# Altium PCB OctopusPB_r0101.PcbDoc (part 1 of 11)
Units mm, origin at the board's own origin, x right, y up, seen from the top; angles counter-clockwise.
Board outline 318 x 80 mm, 4 copper layers (Top Layer, Layer 1, Layer 2, Bottom Layer), stack 1.567 mm thick; 1067 components, 459 nets, 3580 pads, 4392 vias.
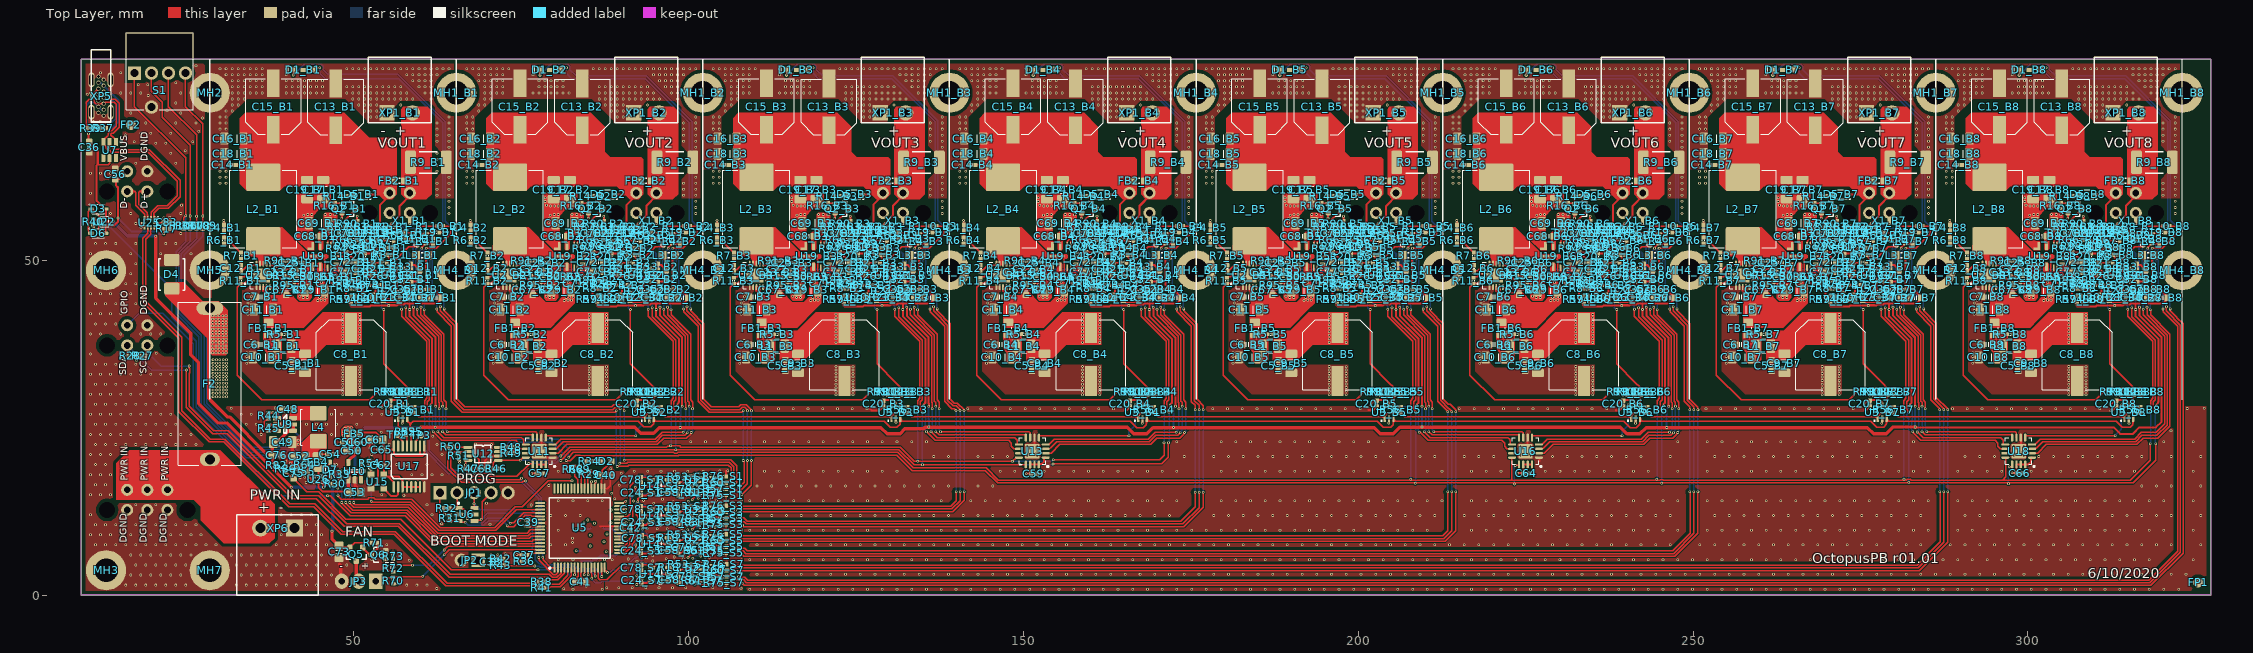
[diagram p0: Top Layer view]
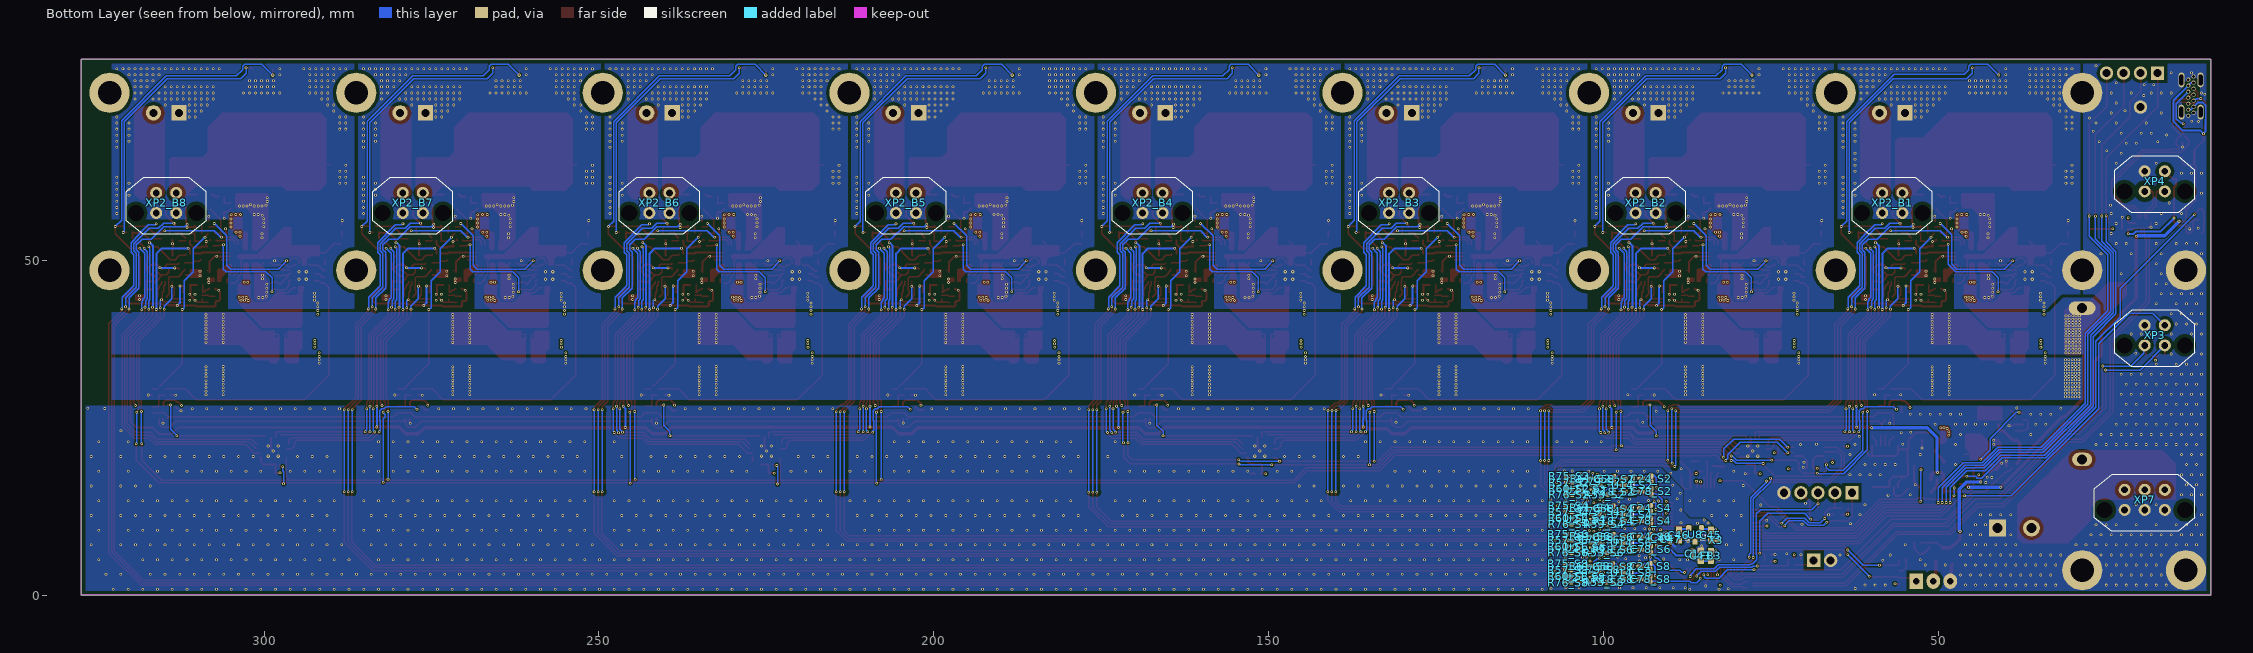
[diagram p1: Bottom Layer view, seen from below]
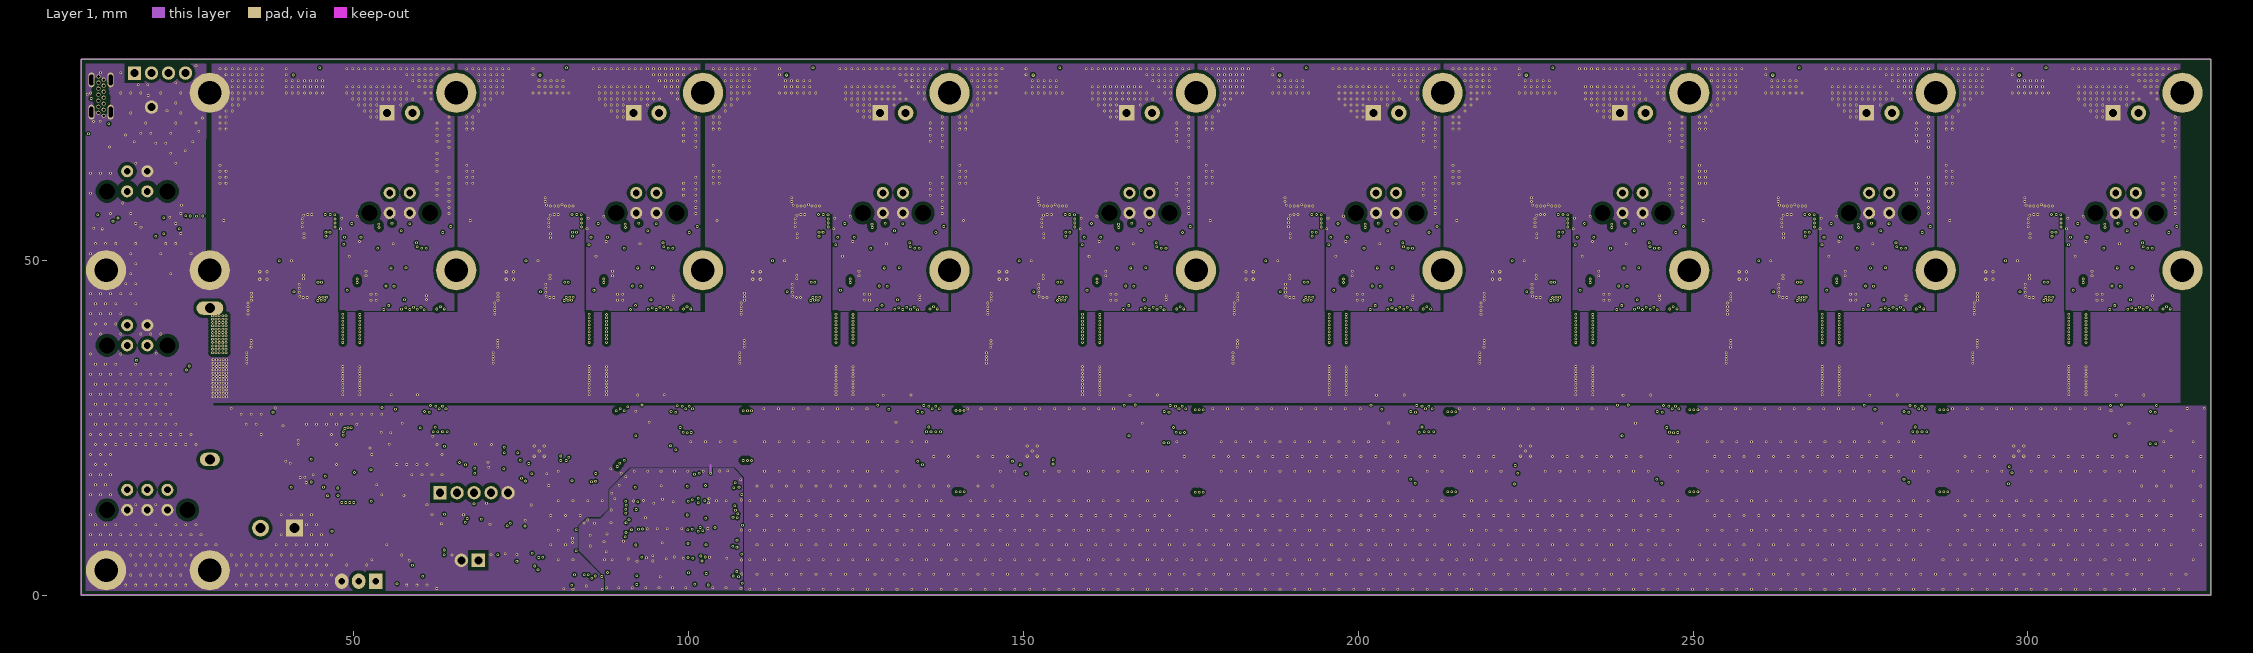
[diagram p2: Layer 1]
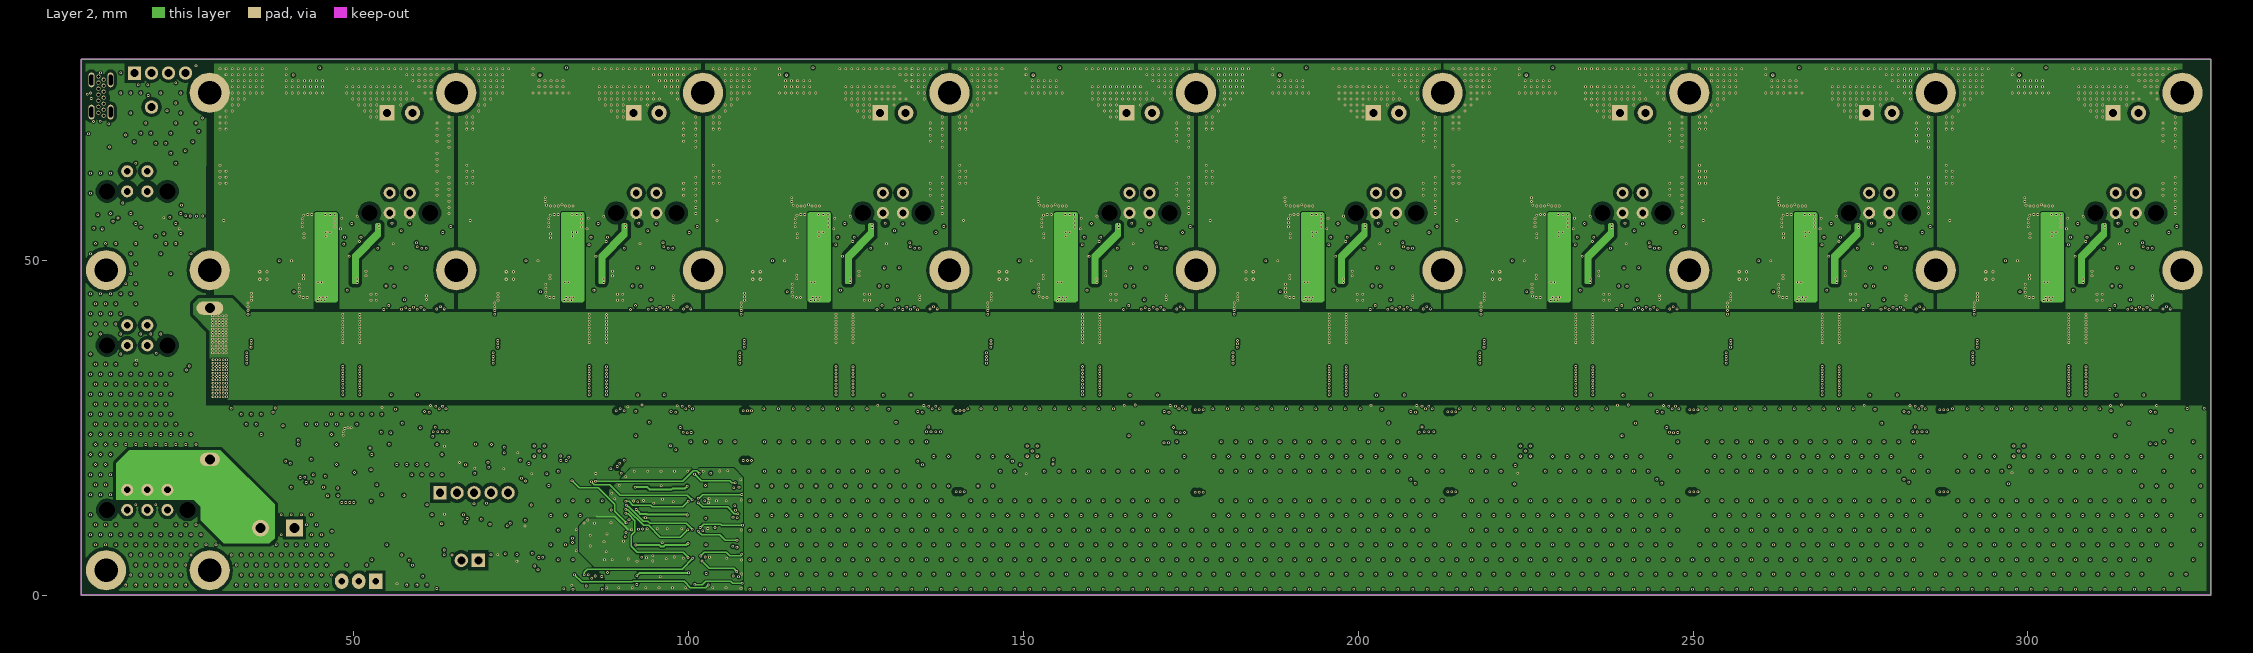
[diagram p3: Layer 2]

## Layer stack, top to bottom
Top Solder: solder mask 0.0102, Solder Resist, Dk 3.5
Top Layer: signal copper 0.0508
Dielectric 4: prepreg 0.0925, PCL-370HR, Dk 4.2
Layer 1: signal copper 0.0305
Dielectric 2: core 0.2032, PCL-370HR, Dk 4.2
Dielectric 6: prepreg 0.1016, PCL-370HR - 2113, Dk 4.2
Dielectric 8: prepreg 0.1016, PCL-370HR - 2113, Dk 4.2
Dielectric 10: prepreg 0.1016, PCL-370HR - 2113, Dk 4.2
Dielectric 1: dielectric 0.2032, FR-4, Dk 4.2
Dielectric 11: prepreg 0.1016, PCL-370HR - 2113, Dk 4.2
Dielectric 9: prepreg 0.1016, PCL-370HR - 2113, Dk 4.2
Dielectric 7: prepreg 0.1016, PCL-370HR - 2113, Dk 4.2
Dielectric 3: core 0.2032, PCL-370HR, Dk 4.2
Layer 2: signal copper 0.0305
Dielectric 5: prepreg 0.0925, PCL-370HR, Dk 4.2
Bottom Layer: signal copper 0.0508
Bottom Solder: solder mask 0.0102, Solder Resist, Dk 3.5

## Board outline
9.3,0 327.3,0 327.3,80 9.3,80

## Design rules (kind name [scope] priority, off if disabled: settings)
Clearance Clearance_KeepOut [OnLayer('Keep-Out Layer')] p1: gap=0.5 ignorepadtopadclearanceinfootprint=FALSE
Clearance Clearance_FP [InComponent('FP1') or InComponent('FP2')] p2: gap=0.5 ignorepadtopadclearanceinfootprint=FALSE
Clearance Clearance_ShortCircuit_NETsConnector [InComponentClass('NETsConnector') vs InComponentClass('NETsConnector')] p3: gap=0 ignorepadtopadclearanceinfootprint=FALSE
Clearance Clearance_USB [InNet('CUSB_D_N') vs InNet('VBUS_CUSB') or InNet('NetR39_2')] p4: gap=0.1 ignorepadtopadclearanceinfootprint=FALSE
Clearance Clearance_Polygon_HF_Trace [InNetClass('HF_TRACE') or InDifferentialPairClass('All Differential Pairs') vs InPolygon] p5: gap=0.7 ignorepadtopadclearanceinfootprint=FALSE
Clearance Clearance_Polygon [InNet('15-26VIN') or InNet('15-26VIN_F') or InNetClass('VOUT[1..8]') or InNetClass('VOUT_SHUNT[1..8]') or IsThruPin vs InPolygon and not InNet('AGND')] p6: gap=0.5 ignorepadtopadclearanceinfootprint=FALSE
Clearance [All] p7: gap=0.2 ignorepadtopadclearanceinfootprint=FALSE
ComponentClearance "ComponentClearance_to 3D models" [InComponentClass('TouchingGeneric') vs HasGenericStepModel] p1: gap=-10 collisioncheckmode=3 verticalgap=-20 showdistances=FALSE
ComponentClearance ComponentClearance__S1_FP [InComponent('S1') vs InComponent('MH2')] p2: gap=-1 collisioncheckmode=3 verticalgap=-20 showdistances=FALSE
ComponentClearance ComponentClearance_X3 [All vs InComponent('X3')] p3: gap=-10 collisioncheckmode=3 verticalgap=-10 showdistances=FALSE
ComponentClearance [All] p4: gap=0.2 collisioncheckmode=3 verticalgap=0.254 showdistances=FALSE
DiffPairsRouting DiffPairsRouting_USB [InDifferentialPairClass('All Differential Pairs')] p1: maxlimit=1 minlimit=0.2 mostfreqgap=0.2 toplayer_minwidth=0.1 toplayer_maxwidth=0.22 toplayer_prefwidth=0.21 midlayer1_minwidth=0.1 midlayer1_maxwidth=0.22 midlayer1_prefwidth=0.21 midlayer2_minwidth=0.1 midlayer2_maxwidth=0.22 midlayer2_prefwidth=0.21 bottomlayer_minwidth=0.1 bottomlayer_maxwidth=0.22 bottomlayer_prefwidth=0.21 maxuncoupledlength=12.7
DiffPairsRouting [All] p2: maxlimit=0.254 minlimit=0.2 mostfreqgap=0.254 toplayer_minwidth=0.2 toplayer_maxwidth=0.381 toplayer_prefwidth=0.381 midlayer1_minwidth=0.2 midlayer1_maxwidth=0.381 midlayer1_prefwidth=0.381 midlayer2_minwidth=0.2 midlayer2_maxwidth=0.381 midlayer2_prefwidth=0.381 bottomlayer_minwidth=0.2 bottomlayer_maxwidth=0.381 bottomlayer_prefwidth=0.381 maxuncoupledlength=12.7
PolygonConnect PolygonConnect_isvia [isvia] p1: connectstyle=Direct reliefconductorwidth=0.254 reliefentries=4 polygonreliefangle="90 Angle" airgapwidth=0.254
PolygonConnect PolygonConnect_VOUT [InNetClass('PWR_CH') and not (HasFootprint('rc0402M') or HasFootprint('cc0402m'))] p2: connectstyle=Direct reliefconductorwidth=0.254 reliefentries=4 polygonreliefangle="90 Angle" airgapwidth=0.254
PolygonConnect PolygonConnect_GNDA_0603 [IsPolygon vs InComponent(c43)  or HasFootprint('NETs_CONNECTOR')] p3: connectstyle=Direct reliefconductorwidth=0.254 reliefentries=4 polygonreliefangle="90 Angle" airgapwidth=0.254
PolygonConnect [All] p4: connectstyle=Relief reliefconductorwidth=0.254 reliefentries=4 polygonreliefangle="90 Angle" airgapwidth=0.254
RoomDefinition S6 [InComponentClass('S6')] p1: confinementstyle=ConfineIn formatcopy=TRUE lockcomponents=FALSE outline 92.23,5.44 92.23,9.54 106.005,9.54 106.005,5.44
RoomDefinition S8 [InComponentClass('S8')] p2: confinementstyle=ConfineIn formatcopy=TRUE lockcomponents=FALSE outline 92.225,1 92.225,5.1 106,5.1 106,1
RoomDefinition S7 [InComponentClass('S7')] p3: confinementstyle=ConfineIn formatcopy=TRUE lockcomponents=FALSE outline 92.225,5.1 92.225,1 106,1 106,5.1
RoomDefinition S2 [InComponentClass('S2')] p4: confinementstyle=ConfineIn formatcopy=TRUE lockcomponents=FALSE outline 92.153,14.273 92.153,18.373 105.928,18.373 105.928,14.273
RoomDefinition S4 [InComponentClass('S4')] p5: confinementstyle=ConfineIn formatcopy=TRUE lockcomponents=FALSE outline 92.225,9.86 92.225,13.96 106,13.96 106,9.86
RoomDefinition S1 [InComponentClass('S1')] p6: confinementstyle=ConfineIn formatcopy=TRUE lockcomponents=FALSE outline 92.205,18.385 92.205,14.285 105.98,14.285 105.98,18.385
RoomDefinition S3 [InComponentClass('S3')] p7: confinementstyle=ConfineIn formatcopy=TRUE lockcomponents=FALSE outline 92.205,13.99 92.205,9.89 105.98,9.89 105.98,13.99
RoomDefinition S5 [InComponentClass('S5')] p8: confinementstyle=ConfineIn formatcopy=TRUE lockcomponents=FALSE outline 92.225,9.55 92.225,5.45 106,5.45 106,9.55
RoomDefinition B1 [InComponentClass('B1')] p9: confinementstyle=ConfineIn formatcopy=FALSE lockcomponents=FALSE outline 28.475,29.45 65.3,29.45 65.3,80 28.475,80
RoomDefinition B2 [InComponentClass('B2')] p10: confinementstyle=ConfineIn formatcopy=TRUE lockcomponents=FALSE outline 65.3,29.45 102.125,29.45 102.125,80 65.3,80
RoomDefinition B3 [InComponentClass('B3')] p11: confinementstyle=ConfineIn formatcopy=FALSE lockcomponents=FALSE outline 102.125,29.45 138.95,29.45 138.95,80 102.125,80
RoomDefinition B4 [InComponentClass('B4')] p12: confinementstyle=ConfineIn formatcopy=FALSE lockcomponents=FALSE outline 138.95,29.45 175.775,29.45 175.775,80 138.95,80
RoomDefinition B5 [InComponentClass('B5')] p13: confinementstyle=ConfineIn formatcopy=FALSE lockcomponents=FALSE outline 175.775,29.45 212.6,29.45 212.6,80 175.775,80
RoomDefinition B6 [InComponentClass('B6')] p14: confinementstyle=ConfineIn formatcopy=FALSE lockcomponents=FALSE outline 212.6,29.45 249.425,29.45 249.425,80 212.6,80
RoomDefinition B7 [InComponentClass('B7')] p15: confinementstyle=ConfineIn formatcopy=FALSE lockcomponents=FALSE outline 249.425,29.45 286.25,29.45 286.25,80 249.425,80
RoomDefinition B8 [InComponentClass('B8')] p16: confinementstyle=ConfineIn formatcopy=FALSE lockcomponents=FALSE outline 286.25,29.45 323.075,29.45 323.075,80 286.25,80
RoutingVias [All] p1: holewidth=0.711 width=1.27 viastyle="Through Hole" minholewidth=0.2 minwidth=0.4 maxholewidth=0.711 maxwidth=1.27
ShortCircuit ShortCircuit_NETsConnector [InComponentClass('NETsConnector') vs InComponentClass('NETsConnector')] p1: allowed=TRUE
ShortCircuit [All] p2: allowed=FALSE
SilkToSilkClearance [All] p1: silktosilkclearance=0.1
SilkToSolderMaskClearance [IsPad] p1: minsilkscreentomaskgap=0.05 clearancetoexposedcopper=TRUE
SolderMaskExpansion [All] p1: expansion=0.102
Width Width_USB [InNet('CUSB_D_N')] p1 off: maxlimit=0.254 minlimit=0.1 preferedwidth=0.2
Width [All] p2: maxlimit=1 minlimit=0.2 preferedwidth=0.254
25 further rules are at their usual default settings.

## Classes and differential pairs
net class HF_TRACE: BUCK_CLK_B1 BUCK_CLK_B2 BUCK_CLK_B3 BUCK_CLK_B4 BUCK_CLK_B5 BUCK_CLK_B6 BUCK_CLK_B7 BUCK_CLK_B8 CLK_1MHz CLK_500kHz NetR10_B1_2 NetR10_B2_2 NetR10_B3_2 NetR10_B4_2 NetR10_B5_2 NetR10_B6_2 NetR10_B7_2 NetR10_B8_2
component class TouchingGeneric: S1 XP1_B1 XP1_B2 XP1_B3 XP1_B4 XP1_B5 XP1_B6 XP1_B7 XP1_B8 XP2_B1 XP2_B2 XP2_B3 XP2_B4 XP2_B5 XP2_B6 XP2_B7 XP2_B8 XP3 XP4 XP5 XP6
component class NETsConnector: X1_B1 X1_B2 X1_B3 X1_B4 X1_B5 X1_B6 X1_B7 X1_B8 X3
net class VOUT_SHUNT[1..8]: VOUT_SHUNT1 VOUT_SHUNT2 VOUT_SHUNT3 VOUT_SHUNT4 VOUT_SHUNT5 VOUT_SHUNT6 VOUT_SHUNT7 VOUT_SHUNT8
net class VOUT[1..8]: VOUT1 VOUT2 VOUT3 VOUT4 VOUT5 VOUT6 VOUT7 VOUT8
net class VFBSW[1..8]: VFBSW1 VFBSW2 VFBSW3 VFBSW4 VFBSW5 VFBSW6 VFBSW7 VFBSW8
net class PGND_ADC[1..8]: PGND_ADC1 PGND_ADC2 PGND_ADC3 PGND_ADC4 PGND_ADC5 PGND_ADC6 PGND_ADC7 PGND_ADC8
net class FB_SW[1..8]: FB_SW1 FB_SW2 FB_SW3 FB_SW4 FB_SW5 FB_SW6 FB_SW7 FB_SW8
net class EN_SNS/LED[1..8]: EN_SNS/LED1 EN_SNS/LED2 EN_SNS/LED3 EN_SNS/LED4 EN_SNS/LED5 EN_SNS/LED6 EN_SNS/LED7 EN_SNS/LED8
net class CLK_SW[1..8]: CLK_SW1 CLK_SW2 CLK_SW3 CLK_SW4 CLK_SW5 CLK_SW6 CLK_SW7 CLK_SW8
net class BUCK_EN[1..8]: BUCK_EN1 BUCK_EN2 BUCK_EN3 BUCK_EN4 BUCK_EN5 BUCK_EN6 BUCK_EN7 BUCK_EN8
component class S8: C24_S8 C58_S8 C78_S8 C79_S8 R18_S8 R53_S8 R57_S8 R60_S8 R61_S8 R75_S8 R76_S8 U14_S8 U21_S8
component class S7: C24_S7 C58_S7 C78_S7 C79_S7 R18_S7 R53_S7 R57_S7 R60_S7 R61_S7 R75_S7 R76_S7 U14_S7 U21_S7
component class S6: C24_S6 C58_S6 C78_S6 C79_S6 R18_S6 R53_S6 R57_S6 R60_S6 R61_S6 R75_S6 R76_S6 U14_S6 U21_S6
component class S5: C24_S5 C58_S5 C78_S5 C79_S5 R18_S5 R53_S5 R57_S5 R60_S5 R61_S5 R75_S5 R76_S5 U14_S5 U21_S5
component class S4: C24_S4 C58_S4 C78_S4 C79_S4 R18_S4 R53_S4 R57_S4 R60_S4 R61_S4 R75_S4 R76_S4 U14_S4 U21_S4
component class S3: C24_S3 C58_S3 C78_S3 C79_S3 R18_S3 R53_S3 R57_S3 R60_S3 R61_S3 R75_S3 R76_S3 U14_S3 U21_S3
component class S2: C24_S2 C58_S2 C78_S2 C79_S2 R18_S2 R53_S2 R57_S2 R60_S2 R61_S2 R75_S2 R76_S2 U14_S2 U21_S2
component class S1: C24_S1 C58_S1 C78_S1 C79_S1 R18_S1 R53_S1 R57_S1 R60_S1 R61_S1 R75_S1 R76_S1 U14_S1 U21_S1
component class PWR_USB: C36 C48 C49 C50 C51 C52 C53 C54 C55 C56 C75 C76 C83 D3 D4 D6 D7 F1 F2 FB4 L4 R17 R37 R39 R40 R44 R45 R64 R82 R86 U7 U9 U10 U22 U25 U26 XP4 XP5 XP6 XP7
channel class VoltageFeedbackSwitch: S1 S2 S3 S4 S5 S6 S7 S8
net class PGND_ADC: PGND_ADC1 PGND_ADC2 PGND_ADC3 PGND_ADC4 PGND_ADC5 PGND_ADC6 PGND_ADC7 PGND_ADC8
net class PWR_CH: 3V3 5V 15-26VIN_F BOOT_B1 BOOT_B2 BOOT_B3 BOOT_B4 BOOT_B5 BOOT_B6 BOOT_B7 BOOT_B8 BUCK_CLK_B1 BUCK_CLK_B2 BUCK_CLK_B3 BUCK_CLK_B4 BUCK_CLK_B5 BUCK_CLK_B6 BUCK_CLK_B7 BUCK_CLK_B8 BUCK_EN1 BUCK_EN2 BUCK_EN3 BUCK_EN4 BUCK_EN5 BUCK_EN6 BUCK_EN7 BUCK_EN8 BUCK_EN_B1_P BUCK_EN_B2_P BUCK_EN_B3_P BUCK_EN_B4_P BUCK_EN_B5_P BUCK_EN_B6_P BUCK_EN_B7_P BUCK_EN_B8_P BUCK_EN_RES_B1 BUCK_EN_RES_B2 BUCK_EN_RES_B3 BUCK_EN_RES_B4 BUCK_EN_RES_B5 BUCK_EN_RES_B6 BUCK_EN_RES_B7 BUCK_EN_RES_B8 CLK_1MHz CLK_500kHz CLK_SW1 CLK_SW2 CLK_SW3 CLK_SW4 CLK_SW5 CLK_SW6 CLK_SW7 CLK_SW8 DAC_OUT_B1 DAC_OUT_B2 DAC_OUT_B3 DAC_OUT_B4 DAC_OUT_B5 DAC_OUT_B6 DAC_OUT_B7 DAC_OUT_B8 DAC_VDD_B1 DAC_VDD_B2 DAC_VDD_B3 DAC_VDD_B4 DAC_VDD_B5 DAC_VDD_B6 DAC_VDD_B7 DAC_VDD_B8 DGND EN_SNS/LED1 EN_SNS/LED2 EN_SNS/LED3 EN_SNS/LED4 EN_SNS/LED5 EN_SNS/LED6 EN_SNS/LED7 EN_SNS/LED8 FB_B1 FB_B2 FB_B3 FB_B4 FB_B5 FB_B6 FB_B7 FB_B8 FB_RES_B1 FB_RES_B2 FB_RES_B3 FB_RES_B4 FB_RES_B5 FB_RES_B6 FB_RES_B7 FB_RES_B8 FB_SW1 FB_SW2 FB_SW3 FB_SW4 FB_SW5 FB_SW6 FB_SW7 FB_SW8 I2C0_SCL I2C0_SDA I2C1_SCL I2C1_SDA NetC2_B1_1 NetC2_B1_2 NetC2_B2_1 NetC2_B2_2 NetC2_B3_1 NetC2_B3_2 NetC2_B4_1 NetC2_B4_2 NetC2_B5_1 NetC2_B5_2 NetC2_B6_1 NetC2_B6_2 NetC2_B7_1 NetC2_B7_2 NetC2_B8_1 NetC2_B8_2 NetC4_B1_1 NetC4_B2_1 NetC4_B3_1 NetC4_B4_1 NetC4_B5_1 NetC4_B6_1 NetC4_B7_1 NetC4_B8_1 NetC6_B1_1 NetC6_B2_1 NetC6_B3_1 NetC6_B4_1 NetC6_B5_1 NetC6_B6_1 NetC6_B7_1 NetC6_B8_1 NetC12_B1_1 NetC12_B2_1 NetC12_B3_1 NetC12_B4_1 NetC12_B5_1 NetC12_B6_1 NetC12_B7_1 NetC12_B8_1 NetC21_B1_1 NetC21_B1_2 NetC21_B2_1 NetC21_B2_2 NetC21_B3_1 NetC21_B3_2 NetC21_B4_1 NetC21_B4_2 NetC21_B5_1 NetC21_B5_2 NetC21_B6_1 NetC21_B6_2 NetC21_B7_1 NetC21_B7_2 NetC21_B8_1 NetC21_B8_2 NetC22_B1_1 NetC22_B1_2 NetC22_B2_1 NetC22_B2_2 NetC22_B3_1 NetC22_B3_2 NetC22_B4_1 NetC22_B4_2 NetC22_B5_1 NetC22_B5_2 NetC22_B6_1 NetC22_B6_2 NetC22_B7_1 NetC22_B7_2 NetC22_B8_1 NetC22_B8_2 NetC25_B1_1 NetC25_B2_1 NetC25_B3_1 NetC25_B4_1 NetC25_B5_1 NetC25_B6_1 NetC25_B7_1 NetC25_B8_1 NetC26_B1_1 NetC26_B2_1 NetC26_B3_1 NetC26_B4_1 NetC26_B5_1 NetC26_B6_1 NetC26_B7_1 NetC26_B8_1 NetC70_B1_1 NetC70_B2_1 NetC70_B3_1 NetC70_B4_1 NetC70_B5_1 NetC70_B6_1 NetC70_B7_1 NetC70_B8_1 NetC71_B1_2 NetC71_B2_2 NetC71_B3_2 NetC71_B4_2 NetC71_B5_2 NetC71_B6_2 NetC71_B7_2 NetC71_B8_2 NetC72_B1_1 NetC72_B2_1 NetC72_B3_1 NetC72_B4_1 NetC72_B5_1 NetC72_B6_1 NetC72_B7_1 NetC72_B8_1 NetC77_B1_1 NetC77_B2_1 NetC77_B3_1 NetC77_B4_1 NetC77_B5_1 NetC77_B6_1 NetC77_B7_1 NetC77_B8_1 NetD1_B1_2 NetD1_B2_2 NetD1_B3_2 NetD1_B4_2 NetD1_B5_2 NetD1_B6_2 NetD1_B7_2 NetD1_B8_2 NetD5_B1_2 NetD5_B2_2 NetD5_B3_2 NetD5_B4_2 NetD5_B5_2 NetD5_B6_2 NetD5_B7_2 NetD5_B8_2 NetQ1_B1_3 NetQ1_B2_3 NetQ1_B3_3 NetQ1_B4_3 NetQ1_B5_3 NetQ1_B6_3 NetQ1_B7_3 NetQ1_B8_3 NetQ2_B1_1 NetQ2_B2_1 NetQ2_B3_1 NetQ2_B4_1 NetQ2_B5_1 NetQ2_B6_1 NetQ2_B7_1 NetQ2_B8_1 NetR8_B1_1 NetR8_B2_1 NetR8_B3_1 NetR8_B4_1 NetR8_B5_1 NetR8_B6_1 NetR8_B7_1 NetR8_B8_1 NetR10_B1_2 NetR10_B2_2 NetR10_B3_2 NetR10_B4_2 NetR10_B5_2 NetR10_B6_2 NetR10_B7_2 NetR10_B8_2 NetR23_B1_1 NetR23_B2_1 NetR23_B3_1 NetR23_B4_1 NetR23_B5_1 NetR23_B6_1 NetR23_B7_1 NetR23_B8_1 NetR59_B1_1 NetR59_B2_1 NetR59_B3_1 NetR59_B4_1 NetR59_B5_1 NetR59_B6_1 NetR59_B7_1 NetR59_B8_1 NetR65_B1_1 NetR65_B2_1 NetR65_B3_1 NetR65_B4_1 NetR65_B5_1 NetR65_B6_1 NetR65_B7_1 NetR65_B8_1 NetR66_B1_2 NetR66_B2_2 NetR66_B3_2 NetR66_B4_2 NetR66_B5_2 NetR66_B6_2 NetR66_B7_2 NetR66_B8_2 PGND_ADC1 PGND_ADC2 PGND_ADC3 PGND_ADC4 PGND_ADC5 PGND_ADC6 PGND_ADC7 PGND_ADC8 PH_B1 PH_B2 PH_B3 PH_B4 PH_B5 PH_B6 PH_B7 PH_B8 PVIN_B1 PVIN_B2 PVIN_B3 PVIN_B4 PVIN_B5 PVIN_B6 PVIN_B7 PVIN_B8 VOUT1 VOUT2 VOUT3 VOUT4 VOUT5 VOUT6 VOUT7 VOUT8 VOUT_SHUNT1 VOUT_SHUNT2 VOUT_SHUNT3 VOUT_SHUNT4 VOUT_SHUNT5 VOUT_SHUNT6 VOUT_SHUNT7 VOUT_SHUNT8 VREFIO_B1 VREFIO_B2 VREFIO_B3 VREFIO_B4 VREFIO_B5 VREFIO_B6 VREFIO_B7 VREFIO_B8
component class Designator: C57 C59 C60 C61 C62 C63 C64 C65 C66 FB5 R46 R47 R48 R49 R50 R51 R52 R54 R55 TP2 TP3 U11 U12 U13 U15 U16 U17 U18
component class B8: C2_B8 C3_B8 C4_B8 C5_B8 C6_B8 C7_B8 C8_B8 C9_B8 C10_B8 C11_B8 C12_B8 C13_B8 C14_B8 C15_B8 C16_B8 C17_B8 C18_B8 C19_B8 C20_B8 C21_B8 C22_B8 C23_B8 C25_B8 C26_B8 C27_B8 C28_B8 C29_B8 C30_B8 C31_B8 C32_B8 C33_B8 C34_B8 C35_B8 C67_B8 C68_B8 C69_B8 C70_B8 C71_B8 C72_B8 C74_B8 C77_B8 D1_B8 D5_B8 FB1_B8 FB2_B8 L1_B8 L2_B8 L3_B8 MH1_B8 MH4_B8 Q1_B8 Q2_B8 R1_B8 R2_B8 R3_B8 R4_B8 R5_B8 R6_B8 R7_B8 R8_B8 R9_B8 R10_B8 R11_B8 R12_B8 R13_B8 R14_B8 R15_B8 R16_B8 R19_B8 R20_B8 R21_B8 R22_B8 R23_B8 R24_B8 R25_B8 R26_B8 R56_B8 R58_B8 R59_B8 R62_B8 R63_B8 R65_B8 R66_B8 R67_B8 R74_B8 R83_B8 R87_B8 R90_B8 R91_B8 R94_B8 R95_B8 R98_B8 R99_B8 R102_B8 R103_B8 R110_B8 U1_B8 U2_B8 U3_B8 U4_B8 U19_B8 U20_B8 X1_B8 XP1_B8 XP2_B8
component class B7: C2_B7 C3_B7 C4_B7 C5_B7 C6_B7 C7_B7 C8_B7 C9_B7 C10_B7 C11_B7 C12_B7 C13_B7 C14_B7 C15_B7 C16_B7 C17_B7 C18_B7 C19_B7 C20_B7 C21_B7 C22_B7 C23_B7 C25_B7 C26_B7 C27_B7 C28_B7 C29_B7 C30_B7 C31_B7 C32_B7 C33_B7 C34_B7 C35_B7 C67_B7 C68_B7 C69_B7 C70_B7 C71_B7 C72_B7 C74_B7 C77_B7 D1_B7 D5_B7 FB1_B7 FB2_B7 L1_B7 L2_B7 L3_B7 MH1_B7 MH4_B7 Q1_B7 Q2_B7 R1_B7 R2_B7 R3_B7 R4_B7 R5_B7 R6_B7 R7_B7 R8_B7 R9_B7 R10_B7 R11_B7 R12_B7 R13_B7 R14_B7 R15_B7 R16_B7 R19_B7 R20_B7 R21_B7 R22_B7 R23_B7 R24_B7 R25_B7 R26_B7 R56_B7 R58_B7 R59_B7 R62_B7 R63_B7 R65_B7 R66_B7 R67_B7 R74_B7 R83_B7 R87_B7 R90_B7 R91_B7 R94_B7 R95_B7 R98_B7 R99_B7 R102_B7 R103_B7 R110_B7 U1_B7 U2_B7 U3_B7 U4_B7 U19_B7 U20_B7 X1_B7 XP1_B7 XP2_B7
component class B6: C2_B6 C3_B6 C4_B6 C5_B6 C6_B6 C7_B6 C8_B6 C9_B6 C10_B6 C11_B6 C12_B6 C13_B6 C14_B6 C15_B6 C16_B6 C17_B6 C18_B6 C19_B6 C20_B6 C21_B6 C22_B6 C23_B6 C25_B6 C26_B6 C27_B6 C28_B6 C29_B6 C30_B6 C31_B6 C32_B6 C33_B6 C34_B6 C35_B6 C67_B6 C68_B6 C69_B6 C70_B6 C71_B6 C72_B6 C74_B6 C77_B6 D1_B6 D5_B6 FB1_B6 FB2_B6 L1_B6 L2_B6 L3_B6 MH1_B6 MH4_B6 Q1_B6 Q2_B6 R1_B6 R2_B6 R3_B6 R4_B6 R5_B6 R6_B6 R7_B6 R8_B6 R9_B6 R10_B6 R11_B6 R12_B6 R13_B6 R14_B6 R15_B6 R16_B6 R19_B6 R20_B6 R21_B6 R22_B6 R23_B6 R24_B6 R25_B6 R26_B6 R56_B6 R58_B6 R59_B6 R62_B6 R63_B6 R65_B6 R66_B6 R67_B6 R74_B6 R83_B6 R87_B6 R90_B6 R91_B6 R94_B6 R95_B6 R98_B6 R99_B6 R102_B6 R103_B6 R110_B6 U1_B6 U2_B6 U3_B6 U4_B6 U19_B6 U20_B6 X1_B6 XP1_B6 XP2_B6
component class B5: C2_B5 C3_B5 C4_B5 C5_B5 C6_B5 C7_B5 C8_B5 C9_B5 C10_B5 C11_B5 C12_B5 C13_B5 C14_B5 C15_B5 C16_B5 C17_B5 C18_B5 C19_B5 C20_B5 C21_B5 C22_B5 C23_B5 C25_B5 C26_B5 C27_B5 C28_B5 C29_B5 C30_B5 C31_B5 C32_B5 C33_B5 C34_B5 C35_B5 C67_B5 C68_B5 C69_B5 C70_B5 C71_B5 C72_B5 C74_B5 C77_B5 D1_B5 D5_B5 FB1_B5 FB2_B5 L1_B5 L2_B5 L3_B5 MH1_B5 MH4_B5 Q1_B5 Q2_B5 R1_B5 R2_B5 R3_B5 R4_B5 R5_B5 R6_B5 R7_B5 R8_B5 R9_B5 R10_B5 R11_B5 R12_B5 R13_B5 R14_B5 R15_B5 R16_B5 R19_B5 R20_B5 R21_B5 R22_B5 R23_B5 R24_B5 R25_B5 R26_B5 R56_B5 R58_B5 R59_B5 R62_B5 R63_B5 R65_B5 R66_B5 R67_B5 R74_B5 R83_B5 R87_B5 R90_B5 R91_B5 R94_B5 R95_B5 R98_B5 R99_B5 R102_B5 R103_B5 R110_B5 U1_B5 U2_B5 U3_B5 U4_B5 U19_B5 U20_B5 X1_B5 XP1_B5 XP2_B5
component class B4: C2_B4 C3_B4 C4_B4 C5_B4 C6_B4 C7_B4 C8_B4 C9_B4 C10_B4 C11_B4 C12_B4 C13_B4 C14_B4 C15_B4 C16_B4 C17_B4 C18_B4 C19_B4 C20_B4 C21_B4 C22_B4 C23_B4 C25_B4 C26_B4 C27_B4 C28_B4 C29_B4 C30_B4 C31_B4 C32_B4 C33_B4 C34_B4 C35_B4 C67_B4 C68_B4 C69_B4 C70_B4 C71_B4 C72_B4 C74_B4 C77_B4 D1_B4 D5_B4 FB1_B4 FB2_B4 L1_B4 L2_B4 L3_B4 MH1_B4 MH4_B4 Q1_B4 Q2_B4 R1_B4 R2_B4 R3_B4 R4_B4 R5_B4 R6_B4 R7_B4 R8_B4 R9_B4 R10_B4 R11_B4 R12_B4 R13_B4 R14_B4 R15_B4 R16_B4 R19_B4 R20_B4 R21_B4 R22_B4 R23_B4 R24_B4 R25_B4 R26_B4 R56_B4 R58_B4 R59_B4 R62_B4 R63_B4 R65_B4 R66_B4 R67_B4 R74_B4 R83_B4 R87_B4 R90_B4 R91_B4 R94_B4 R95_B4 R98_B4 R99_B4 R102_B4 R103_B4 R110_B4 U1_B4 U2_B4 U3_B4 U4_B4 U19_B4 U20_B4 X1_B4 XP1_B4 XP2_B4
component class B3: C2_B3 C3_B3 C4_B3 C5_B3 C6_B3 C7_B3 C8_B3 C9_B3 C10_B3 C11_B3 C12_B3 C13_B3 C14_B3 C15_B3 C16_B3 C17_B3 C18_B3 C19_B3 C20_B3 C21_B3 C22_B3 C23_B3 C25_B3 C26_B3 C27_B3 C28_B3 C29_B3 C30_B3 C31_B3 C32_B3 C33_B3 C34_B3 C35_B3 C67_B3 C68_B3 C69_B3 C70_B3 C71_B3 C72_B3 C74_B3 C77_B3 D1_B3 D5_B3 FB1_B3 FB2_B3 L1_B3 L2_B3 L3_B3 MH1_B3 MH4_B3 Q1_B3 Q2_B3 R1_B3 R2_B3 R3_B3 R4_B3 R5_B3 R6_B3 R7_B3 R8_B3 R9_B3 R10_B3 R11_B3 R12_B3 R13_B3 R14_B3 R15_B3 R16_B3 R19_B3 R20_B3 R21_B3 R22_B3 R23_B3 R24_B3 R25_B3 R26_B3 R56_B3 R58_B3 R59_B3 R62_B3 R63_B3 R65_B3 R66_B3 R67_B3 R74_B3 R83_B3 R87_B3 R90_B3 R91_B3 R94_B3 R95_B3 R98_B3 R99_B3 R102_B3 R103_B3 R110_B3 U1_B3 U2_B3 U3_B3 U4_B3 U19_B3 U20_B3 X1_B3 XP1_B3 XP2_B3